# Altium PCB NC1-1B-BASIS.PcbDoc (part 2 of 3) (continued)
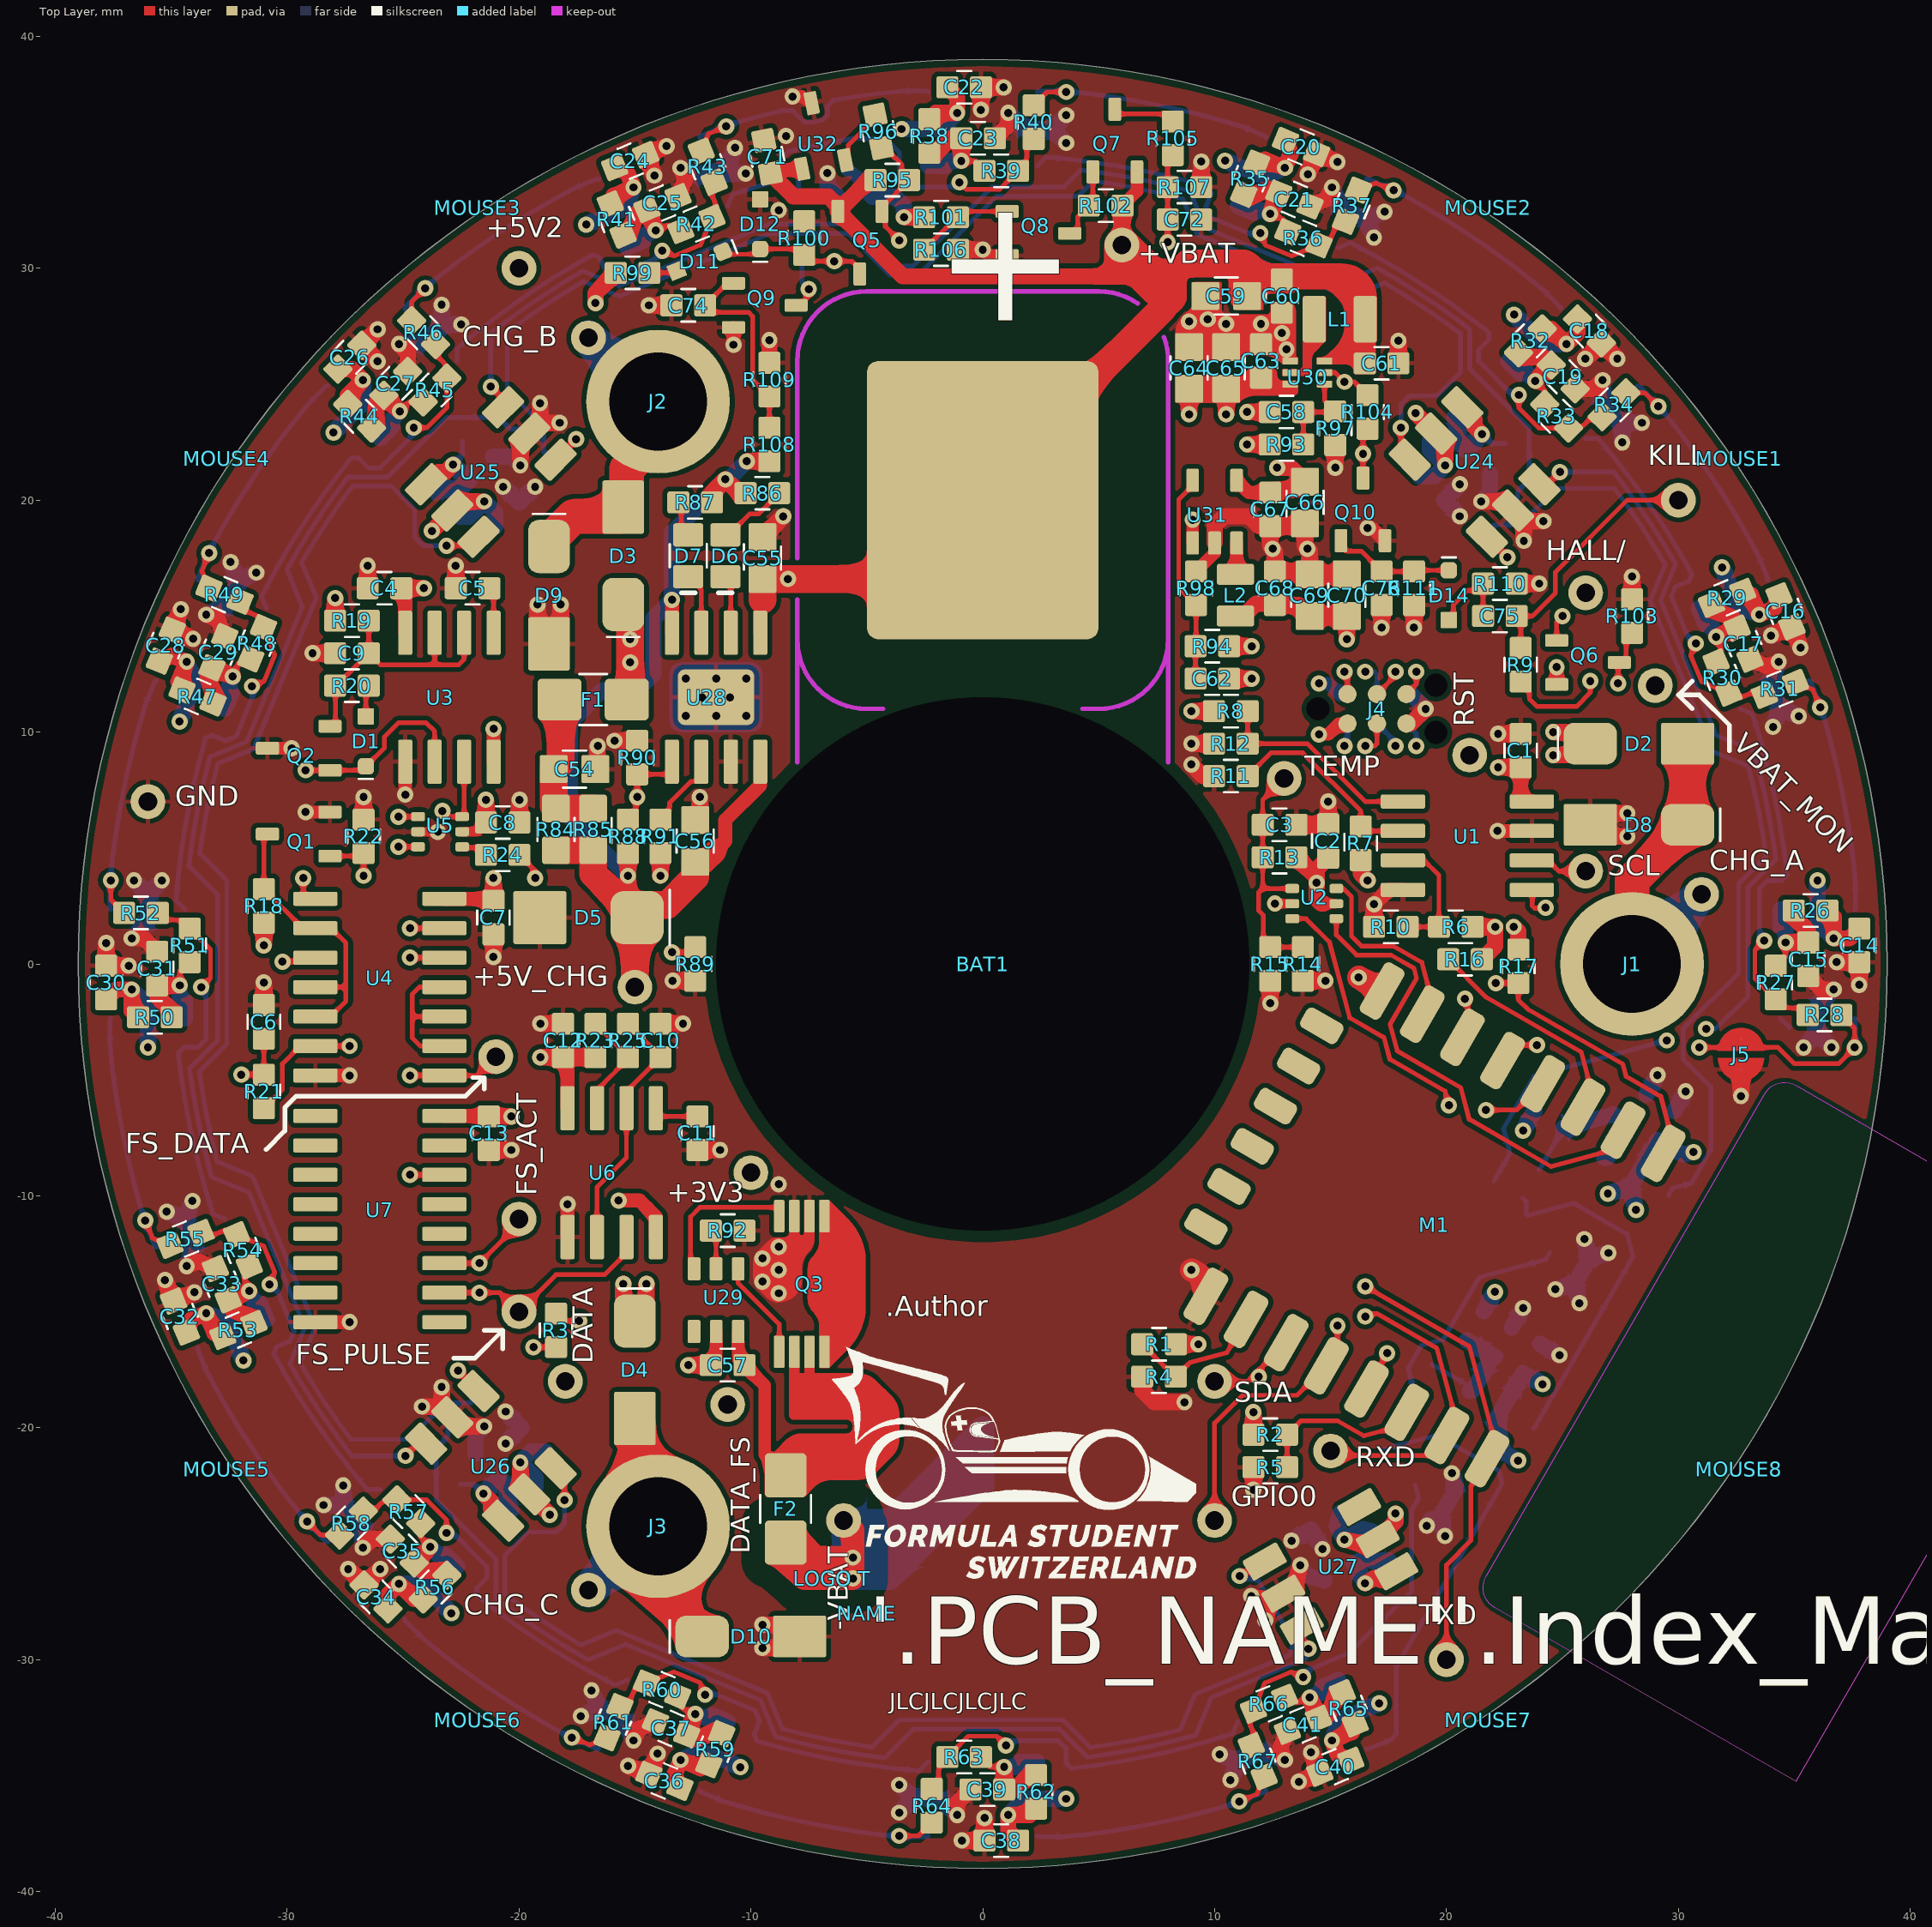
[diagram p0: Top Layer view]
## Nets (pads, with @x,y where several pads share a name; then routed paths per layer and width w, separated by ;. In a path a pad name is that pad's centre, name@x,y a point inside that pad or via, vN(x,y) a via of type N, cw(c..) or ccw(c..) an arc to the next point about the centre after c; other vN are vias at no path point) (continued)
  Bottom Layer w0.7: v1(-36.7,-1.1) -36,-1.8 U16.2@-36,-2.35 v1(-36,-3.6) ; v1(-34.637,10.451) U15.2@-34.159,11.605 -33.949,12.114 v1(-34.327,13.028) ; v1(-33.485,-15.061) -32.571,-15.44 U17.2@-32.36,-15.948 v1(-31.882,-17.103) ; v1(-28.001,22.91) U14.2@-27.118,23.794 -26.729,24.183 v1(-26.729,25.173) ; v1(-25.173,-26.729) -24.183,-26.729 U18.2@-23.794,-27.118 v1(-22.91,-28.001) ; R77.1@-22.539,19.286 -22.15,19.286 v1(-21.496,19.94) -21.019,19.463 C48.1@-21.019,18.862 ; R80.1@-19.286,-22.539 -19.286,-22.15 v1(-19.94,-21.496) -19.463,-21.019 C50.1@-18.862,-21.019 ; v1(-17.103,31.882) U13.2@-15.948,32.36 -15.44,32.571 v1(-15.061,33.485) ; v1(-13.028,-34.327) -12.114,-33.949 U19.2@-11.605,-34.159 v1(-10.451,-34.637) ; v1(-3.5,36) U12.2@-2.35,36 -1.8,36 v1(-1.1,36.7) ; v1(1.1,-36.7) 1.8,-36 U20.2@2.35,-36 v1(3.6,-36) ; v1(10.451,34.637) U11.2@11.605,34.159 12.114,33.949 v1(13.028,34.327) ; v1(15.061,-33.485) 15.44,-32.571 U21.2@15.948,-32.36 v1(17.103,-31.882) ; C53.1@15.421,-23.659 15.265,-24.24 v1(15.603,-24.825) 16.404,-24.362 R83.1@16.779,-24.463 ; C46.1@18.862,21.019 19.463,21.019 v1(19.94,21.496) 19.286,22.15 R74.1@19.286,22.539 ; R68.1@21.602,-14.984 v1(22.09,-14.139) ; v1(22.91,28.001) U10.2@23.794,27.118 24.183,26.729 v1(25.173,26.729) ; v1(23.087,-21.412) 22.481,-21.062 22.115,-19.696 U22.2@22.39,-19.22 C42.1@23.302,-17.639 v1(24.147,-18.127) ; v1(23.302,-7.189) R71.1@23.79,-6.345 ; v1(26.959,-9.906) U23.2@27.915,-9.65 ; v1(28.171,-10.606) U23.2@27.915,-9.65 ; v1(30.65,-8.112) 30.206,-8.231 C44.1@29.102,-7.593 U23.2@28.19,-9.174 U23.2@27.915,-9.65 ; v1(31.882,17.103) U9.2@32.36,15.948 32.571,15.44 v1(33.485,15.061) ; v1(36,3.6) U8.2@36,2.35 36,1.8 v1(36.7,1.1)
+5V_CHG: C56.1 D5.1 R84.2 R85.2 R86.1 R87.1 R88.1 R108.1 TP14.1 U28.4 U28.8 | length 48.1
  Top Layer w0.6: U28.8@-13.4,14.285 v1(-13.4,15.7) ; -11.55,4.85 -11.1,5.3 -11.1,6.2 -9.595,7.705 U28.4@-9.595,8.72
  Top Layer w0.7: R88.1@-15.3,4.775 v1(-15.3,3.8) -15.3,2.4 D5.1@-14.9,2 ; R87.1@-11.675,19.9 -11.675,20.325 v1(-11.1,20.9) -10.5,20.3 R86.1@-10.225,20.3 ; v1(-10.175,21.675) R108.1@-9.2,21.675
  Top Layer w1: C56.1@-12.4,4.4 -12,4.4 -11.55,4.85
  Top Layer w1.2: R84.2@-18.4,4.9 R85.2@-16.8,4.9 -16.8,3.9 D5.1@-15.3,2.4 ; TP14.1@-15,-1 -15,1.9 D5.1@-14.9,2 -14.35,2.55 -13.594,2.55 -12.4,3.744 C56.1@-12.4,4.4
  Bottom Layer w0.7: v1(-15.3,3.8) -17.8,6.3 -17.8,10.402 -16.402,11.8 -14.902,11.8 -14.2,12.502 -14.2,14.9 v1(-13.4,15.7) -13.4,18.6 v1(-11.1,20.9) -10.95,20.9 v1(-10.175,21.675)
+VBAT: BAT1.1 C55.1 C57.1 C59.1 C60.2 C61.2 C71.1 L1.1 Q5.2 Q7.2 R95.1 R102.1 TP18.1 U28.5 U29.5 U30.3 U32.1@-7.789,34.289 | length 118.5
  Top Layer w0.3: U30.3@14.74,26 16.375,26 C61.2@16.475,25.9
  Top Layer w0.55: C57.1@-11.725,-17.3 -11.49,-17.065 U29.5@-11.49,-15.85 ; C71.1@-9.159,34.089 -7.872,34.345 U32.1@-7.789,34.289 ; R102.1@6.025,32.7 6.65,33.325 Q7.2@6.65,34.15
  Top Layer w0.6: U28.5@-9.595,14.28 -9.595,15.605 -9.5,15.7
  Top Layer w0.7: v1(-12.7,-17.3) C57.1@-11.725,-17.3 ; C71.1@-9.159,34.089 -8.17,33.1 -6.66,33.1 -6.25,32.69 Q5.2@-6.25,32.45 ; R95.1@-4.625,33.8 -4.9,33.8 Q5.2@-6.25,32.45 ; R102.1@6.025,32.7 ccw(c6.025,32.675) 6,32.675 TP18.1@6,31 6,29.65 ; 7.8,28.3 7.758,28.342 6.45,29.65 6,29.65 ; C61.2@16.475,25.9 L1.1@16.475,27.775 ; Q5.2@-6.25,32.45 -3.45,29.65 6,29.65
  Top Layer w1: 7.8,28.3 8.3,28.8 8.3,29.8 8.7,30.2 10.7,30.2 11.4,29.5 C59.1@11.4,28.8 12.125,29.525 C60.2@12.9,29.525 13.075,29.7 15.3,29.7 16.5,28.5 L1.1@16.5,27.8
  Top Layer w1.2: -9.5,15.7 C55.1@-9.5,16.6 v1(-8.4,16.6) -3.4,16.6 BAT1.1@0,20 0,20.5 7.8,28.3
  Mid 2 (PWR) w0.4: v1(-12.7,-17.3) -13.4,-17.3 -16.5,-14.2 -16.5,-13.4 -14,-10.9 -14,-8.3 -17.9,-4.4 -17.9,3.4 -18.8,4.3 -18.8,10.8 -16.2,13.4 -16.2,14.5 -13.5,17.2 -9,17.2 v1(-8.4,16.6)
-VBAT: BAT1.2 F2.1 TP19.1 | length 47.6
  Top Layer w1: TP19.1@-6,-24 -5.6,-24.4 v1(-5.6,-25.6) ; v1(-5.6,-25.6) v1(-5.6,-26.5) -7.7,-26.5 -8.5,-25.7 F2.1@-8.5,-24.95 -7.85,-24.95 -7.2,-25.6 v1(-5.6,-25.6)
  Mid 1 (GND) w1: TP19.1@-6,-24 -5.6,-24.4 v1(-5.6,-25.6) v1(-5.6,-26.5)
  Mid 2 (PWR) w1: TP19.1@-6,-24 -5.6,-24.4 v1(-5.6,-25.6) v1(-5.6,-26.5)
  Bottom Layer w1: v1(-5.6,-25.6) -5.6,-24.8 -4.8,-24 BAT1.2@-4,-24 ; v1(-5.6,-25.6) BAT1.2@-4,-24 ; v1(-5.6,-25.6) -6,-25.2 TP19.1@-6,-24 BAT1.2@-4,-24 ; v1(-5.6,-25.6) v1(-5.6,-26.5) -4,-26.5 0,-22.5 BAT1.2@0,-21.4 ; v1(-5.6,-25.6) -4.2,-25.6 BAT1.2@0,-21.4 ; BAT1.2@-4,-24 BAT1.2@0,-20 BAT1.2@0,-21.4
-VBAT_PROT: C57.2 F2.2 Q3.6 Q3.7 U29.6 | length 20.3
  Top Layer w0.45: Q3.6@-8.125,-16.725 -8.125,-18.325 -7.8,-18.65 ; Q3.7@-7.475,-16.725 -7.475,-18.325 -7.8,-18.65 ; -7.35,-18.65 -7.8,-18.65
  Top Layer w0.55: U29.6@-10.55,-15.85 -10.55,-17.025 C57.2@-10.275,-17.3 -9.4,-18.175 -9.4,-21.15 F2.2@-8.5,-22.05
  Top Layer w1.8: F2.2@-8.5,-22.05 F2.2@-7.7,-21.25
  Top Layer w2: F2.2@-7.7,-21.25 -5.35,-21.25 -4.6,-20.5 -4.6,-19.4 -5.35,-18.65 -7.35,-18.65
ADC_MUX: M1.7 U2.6 | length 8.3
  Top Layer w0.2: U2.6@15.25,3.25 15.55,3.25 15.9,2.9 15.9,1.2 16.329,0.771 17.71,0.771 18.937,0.063 19.241,-1.073 18.846,-1.758 M1.7@18.955,-2.168
B1: R27.2 R28.2 U9.6 | length 16.2
  Top Layer w0.2: v1(33.7,1) 33.3,0.6 33.3,-0.625 R27.2@34.2,-1.525 34.575,-1.9 35.275,-1.9 R28.2@35.575,-2.2
  Bottom Layer w0.2: U9.6@32.681,10.993 33.193,10.781 cw(c0,0) 34.689,3.83 34.46,3.6 33.841,3.6 33.5,3.259 33.5,1.2 v1(33.7,1)
B2: R30.2 R31.2 U10.6 | length 16.2
  Top Layer w0.2: v1(30.752,13.82) 30.536,13.298 31.004,12.166 R30.2@32.18,11.679 32.67,11.476 33.317,11.744 R31.2@33.709,11.581
  Bottom Layer w0.2: U10.6@25.986,22.663 26.541,22.663 cw(c0,0) 30.583,16.813 30.459,16.513 29.887,16.276 29.703,15.831 30.491,13.929 v1(30.752,13.82)
B3: R33.2 R34.2 U11.6 | length 16.2
  Top Layer w0.2: v1(23.122,24.537) 23.122,23.971 23.989,23.105 R33.2@25.261,23.105 25.792,23.105 26.287,23.6 R34.2@26.711,23.6
  Bottom Layer w0.2: U11.6@15.335,30.882 15.848,31.094 cw(c0,0) 21.821,27.237 21.821,26.912 21.383,26.474 21.383,25.993 22.84,24.537 v1(23.122,24.537)
B4: R36.2 R37.2 U12.6 | length 16.2
  Top Layer w0.2: v1(11.973,31.517) 12.189,30.995 13.321,30.526 R36.2@14.497,31.013 14.987,31.216 15.255,31.863 R37.2@15.647,32.025
  Bottom Layer w0.2: U12.6@2.35,34.4 2.742,34.792 cw(c0,0) 9.737,33.514 ; 9.737,33.514 9.861,33.214 9.624,32.642 9.809,32.197 11.711,31.409 v1(11.973,31.517)
B5: R39.2 R40.2 U13.6 | length 17.6
  Top Layer w0.2: v1(-1,33.7) -0.7,33.4 0.725,33.4 R39.2@1.525,34.2 1.9,34.575 1.9,35.275 R40.2@2.2,35.575
  Bottom Layer w0.2: U13.6@-10.993,32.681 -10.781,33.193 cw(c0,0) -9.098,33.693 -8.7,34.092 -8.7,34.7 -8.349,35.051 -5.589,35.6 -4.2,35.6 -3.6,35 -3.6,33.841 -3.259,33.5 -1.2,33.5 v1(-1,33.7)
B6: R42.2 R43.2 U14.6 | length 16.2
  Top Layer w0.2: v1(-13.82,30.752) -13.298,30.536 -12.166,31.004 R42.2@-11.679,32.18 -11.476,32.67 -11.744,33.317 R43.2@-11.581,33.709
  Bottom Layer w0.2: U14.6@-22.663,26.541 cw(c0,0) -16.814,30.583 ; U14.6@-22.663,25.986 U14.6@-22.663,26.541 ; -16.813,30.583 -16.513,30.459 -16.276,29.887 -15.831,29.703 -13.929,30.491 v1(-13.82,30.752)
B7: R45.2 R46.2 U15.6 | length 16.2
  Top Layer w0.2: v1(-24.537,23.122) -23.971,23.122 -23.105,23.989 R45.2@-23.105,25.261 -23.105,25.792 -23.6,26.287 R46.2@-23.6,26.711
  Bottom Layer w0.2: U15.6@-31.095,15.848 cw(c0,0) -27.237,21.821 -26.912,21.821 -26.474,21.383 -25.993,21.383 -24.537,22.84 v1(-24.537,23.122) ; U15.6@-31.094,15.848 U15.6@-30.882,15.335
B8: R48.2 R49.2 U16.6 | length 16.2
  Top Layer w0.2: R49.2@-32.025,15.647 -31.863,15.255 -31.216,14.987 R48.2@-31.013,14.497 -30.526,13.321 -30.995,12.189 v1(-31.517,11.973)
  Bottom Layer w0.2: U16.6@-34.4,2.35 -34.792,2.742 cw(c0,0) -33.515,9.737 -33.214,9.861 -32.642,9.624 -32.197,9.809 -31.409,11.711 v1(-31.517,11.973)
B9: R51.2 R52.2 U17.6 | length 16.2
  Top Layer w0.2: R52.2@-35.575,2.2 -35.275,1.9 -34.575,1.9 R51.2@-34.2,1.525 -33.3,0.625 -33.3,-0.6 v1(-33.7,-1)
  Bottom Layer w0.2: v1(-33.7,-1) -33.5,-1.2 -33.5,-3.259 -33.841,-3.6 -34.46,-3.6 -34.689,-3.83 ccw(c0,0) -33.193,-10.781 U17.6@-32.681,-10.993
B10: R54.2 R55.2 U18.6 | length 16.2
  Top Layer w0.2: R55.2@-33.709,-11.581 -33.317,-11.744 -32.67,-11.476 R54.2@-32.18,-11.679 -31.004,-12.166 -30.536,-13.298 v1(-30.752,-13.82)
  Bottom Layer w0.2: v1(-30.752,-13.82) -30.491,-13.929 -29.703,-15.831 -29.887,-16.276 -30.459,-16.513 -30.583,-16.813 ; -30.583,-16.814 ccw(c0,0) U18.6@-26.541,-22.663 ; U18.6@-26.541,-22.663 U18.6@-25.986,-22.663
B11: R57.2 R58.2 U19.6 | length 16.2
  Top Layer w0.2: R58.2@-26.711,-23.6 -26.287,-23.6 -25.792,-23.105 R57.2@-25.261,-23.105 -23.989,-23.105 -23.122,-23.971 v1(-23.122,-24.537)
  Bottom Layer w0.2: v1(-23.122,-24.537) -22.84,-24.537 -21.383,-25.993 -21.383,-26.474 -21.821,-26.912 -21.821,-27.237 ccw(c0,0) U19.6@-15.848,-31.095 ; U19.6@-15.848,-31.094 U19.6@-15.335,-30.882
B12: R60.2 R61.2 U20.6 | length 16.2
  Top Layer w0.2: R61.2@-15.647,-32.025 -15.255,-31.863 -14.987,-31.216 R60.2@-14.497,-31.013 -13.321,-30.526 -12.189,-30.995 v1(-11.973,-31.517)
  Bottom Layer w0.2: v1(-11.973,-31.517) -11.711,-31.409 -9.809,-32.197 -9.624,-32.642 -9.861,-33.214 -9.737,-33.514 ; -9.737,-33.515 ccw(c0,0) -2.742,-34.792 U20.6@-2.35,-34.4
B13: R63.2 R64.2 U21.6 | length 16.2
  Top Layer w0.2: R64.2@-2.2,-35.575 -1.9,-35.275 -1.9,-34.575 R63.2@-1.525,-34.2 -0.625,-33.3 0.6,-33.3 v1(1,-33.7)
  Bottom Layer w0.2: v1(1,-33.7) 1.2,-33.5 3.259,-33.5 3.6,-33.841 3.6,-34.46 3.83,-34.689 ccw(c0,0) 10.781,-33.193 U21.6@10.993,-32.681
B14: R66.2 R67.2 U22.6 | length 15.5
  Top Layer w0.2: R67.2@11.581,-33.709 11.744,-33.317 11.476,-32.67 R66.2@11.679,-32.18 12.166,-31.004 13.298,-30.536 v1(13.82,-30.752)
  Bottom Layer w0.2: v1(13.82,-30.752) 13.929,-30.491 15.831,-29.703 18.5,-27.034 18.5,-23.557 18.801,-23.037 U22.6@18.654,-22.49
B15: R69.2 R70.2 U23.6 | length 11
  Bottom Layer w0.2: R70.2@17.96,-19.693 R69.2@18.635,-18.524 18.342,-17.431 18.904,-16.457 19.86,-16.201 21.41,-13.516 24.279,-12.747 U23.6@24.454,-12.444
B16: R72.2 R73.2 U24.6 | length 44.6
  Top Layer w0.2: U24.6@24.006,20.683 24.183,20.506 v1(24.89,21.213)
  Mid 2 (PWR) w0.2: v1(29.5,-3.3) 30.2,-3.3 30.7,-2.8 v1(31.2,-2.8)
  Bottom Layer w0.2: R73.2@22.04,-9.376 R72.2@22.74,-8.164 22.456,-7.105 23.766,-4.836 v1(29.5,-3.3) ; v1(24.89,21.213) 25.456,21.213 27.208,21.213 cw(c0,0) 29.876,17.253 29.225,15.679 31.636,9.857 33.254,9.187 cw(c0,0) 34.204,4.506 33,3.302 33,-1.4 31.6,-2.8 v1(31.2,-2.8)
B17: R75.2 R76.2 U25.6 | length 61
  Top Layer w0.2: v1(-21.213,24.89) -20.506,24.183 U25.6@-20.683,24.006
  Bottom Layer w0.2: v1(-21.213,24.89) -21.213,25.456 -21.214,27.207 ; -21.214,27.207 cw(c0,0) -17.253,29.876 -15.679,29.224 -9.22,31.9 -5.6,31.9 -3.8,30.1 -3,30.1 0.4,33.5 3.499,33.5 4.238,34.239 cw(c0,0) 8.926,33.325 9.578,31.752 15.4,29.34 17.018,30.01 ; 17.019,30.01 cw(c0,0) 21,27.372 21,25.669 23.564,23.105 R75.2@23.564,21.408 23.564,20.877 23.069,20.382 R76.2@23.069,19.958
B18: R78.2 R79.2 U26.6 | length 60.6
  Top Layer w0.2: v1(-24.89,-21.213) -24.183,-20.506 U26.6@-24.006,-20.683
  Bottom Layer w0.2: -34.239,4.238 -33,3 -33,-3.302 -34.205,-4.506 ccw(c0,0) -33.255,-9.187 ; -34.239,4.238 cw(c0,0) -33.326,8.926 -31.752,9.578 -29.341,15.4 -30.011,17.018 ; -33.255,-9.187 -31.636,-9.857 -29.225,-15.679 -29.877,-17.253 ccw(c0,0) -27.208,-21.214 -25.456,-21.214 v1(-24.89,-21.213) ; -30.011,17.019 cw(c0,0) -27.373,21 -25.669,21 -23.105,23.564 ; -23.105,23.564 R78.2@-21.408,23.564 -20.877,23.564 -20.382,23.069 R79.2@-19.958,23.069
B19: R81.2 R82.2 U27.6 | length 50.4
  Top Layer w0.2: U27.6@13.765,-28.542 13.548,-28.666 v1(14.048,-29.532)
  Bottom Layer w0.2: -23.565,-23.105 -21,-25.669 -21,-27.373 ccw(c-0.001,0) -17.019,-30.01 ; -23.564,-23.105 R81.2@-23.564,-21.408 -23.564,-20.877 -23.069,-20.382 R82.2@-23.069,-19.958 ; -17.019,-30.011 -15.4,-29.34 -9.578,-31.752 -8.927,-33.326 ccw(c0,0) -4.239,-34.239 -3,-33 3.302,-33 4.506,-34.205 ccw(c0,0) 9.186,-33.255 9.857,-31.636 13.938,-29.946 v1(14.048,-29.532)
BMS_CS: R92.1 U29.2 | length 1.7
  Top Layer w0.2: R92.1@-11.725,-11.5 -11.5,-11.725 U29.2@-11.5,-13.15
BMS_OC: Q3.4 U29.3 | length 6.6
  Top Layer w0.2: U29.3@-12.45,-13.15 -12.6,-13 -12.6,-10.9 -12.2,-10.5 -8.9,-10.5 -8.775,-10.625 Q3.4@-8.775,-10.875
BMS_OD: Q3.5 U29.1@-10.55,-13.15 | length 4.3
  Top Layer w0.2: U29.1@-10.55,-13.15 -10.55,-13.75 -8.775,-15.525 Q3.5@-8.775,-16.725
CHG_A: D2.2 D8.1 J1.1 TP15.1 | length 14.7
  Top Layer w1.5: J1.1@28,0 28,3.6 D8.1@30.4,6 D2.2@30.4,9.5
  Bottom Layer w1.5: J1.1@28,0 TP15.1@31,3
CHG_B: D3.2 D9.1 J2.1 TP16.1 | length 13.5
  Top Layer w1.5: D9.1@-18.7,18 -18.7,18.25 -17.65,19.3 -15.65,19.3 -15.5,19.45 D3.2@-15.5,19.7 -15.35,19.85 -15.35,21.35 -14,22.7 J2.1@-14,24.249
  Bottom Layer w1.5: TP16.1@-17,27 -14.249,24.249 J2.1@-14,24.249
CHG_C: D4.2 D10.1 J3.1 TP17.1 | length 14.7
  Top Layer w1.5: D4.2@-15,-19.6 -14.85,-19.75 -14.85,-23.399 J3.1@-14,-24.249 -14,-27.1 D10.1@-12.1,-29
  Bottom Layer w1.5: TP17.1@-17,-27 -14.249,-24.249 J3.1@-14,-24.249
CHG_CHRG: D7.1 U28.7 | length 2.7
  Top Layer w0.2: D7.1@-12.7,16.7 -12.135,16.135 U28.7@-12.135,14.28
CHG_PROG: R91.1 U28.2 | length 3.4
  Top Layer w0.2: R91.1@-13.9,6.225 -13.5,6.625 -13.5,6.949 -12.584,7.865 -12.34,7.865 -12.135,8.07 U28.2@-12.135,8.72
CHG_STDBY: D6.1 U28.6 | length 2.5
  Top Layer w0.2: D6.1@-11.1,16.7 -10.865,16.465 U28.6@-10.865,14.28
CHG_TEMP: R88.2 R89.1 R90.1 U28.1@-13.405,8.72 | length 12.5
  Top Layer w0.2: R88.2@-15.3,6.225 -14.96,6.565 -14.96,7.14 v1(-14.9,7.2) R90.1@-14.9,8.175 -13.61,8.175 -13.405,8.38 U28.1@-13.405,8.72 ; v1(-13.4,0.5) -12.625,0.5 R89.1@-12.4,0.725
  Mid 2 (PWR) w0.2: v1(-14.9,7.2) -14.6,6.9 -14.6,1.7 v1(-13.4,0.5)
D1: R31.1 U8.3 U9.4 | length 11.8
  Top Layer w0.2: R31.1@35.049,12.136 35.8,11.825 v1(36.116,11.063)
  Bottom Layer w0.2: U9.4@35.637,12.218 35.691,12.196 36.101,11.204 cw(c0,0) 37.641,3.464 37.641,2.391 U8.3@37.6,2.35
D2: R34.1 U9.3 U10.4 | length 11.8
  Top Layer w0.2: R34.1@27.736,24.625 28.549,24.625 v1(29.133,24.042)
  Bottom Layer w0.2: U10.4@28.249,24.926 28.307,24.926 29.066,24.167 cw(c0,0) 33.45,17.605 33.861,16.613 U9.3@33.839,16.56
D3: R37.1 U10.3 U11.4 | length 11.8
  Top Layer w0.2: R37.1@16.201,33.365 16.953,33.676 v1(17.715,33.36)
  Bottom Layer w0.2: U11.4@16.56,33.839 16.613,33.861 17.605,33.45 cw(c0,0) 24.167,29.066 24.926,28.307 U10.3@24.926,28.249
D4: R40.1 U11.3 U12.4 | length 11.8
  Top Layer w0.2: R40.1@2.2,37.025 2.775,37.6 v1(3.6,37.6)
  Bottom Layer w0.2: U12.4@2.35,37.6 2.391,37.641 3.464,37.641 cw(c0,0) 11.204,36.102 12.196,35.691 U11.3@12.218,35.637
D5: R43.1 U12.3 U13.4 | length 12.6
  Top Layer w0.2: R43.1@-12.136,35.049 -11.825,35.8 v1(-11.063,36.116)
  Bottom Layer w0.2: U13.4@-12.218,35.637 -12.196,35.691 -11.204,36.101 cw(c-0.001,0) -8.602,36.809 ; -8.6,36.8 -8.2,36.8 -7.7,36.3 -7.3,36.3 -6.926,36.374 -6.7,36.6 -6.7,36.976 -6.426,37.25 cw(c0,0) -3.465,37.641 ; -3.464,37.641 -2.391,37.641 U12.3@-2.35,37.6
D6: R46.1 U13.3 U14.4 | length 11.8
  Top Layer w0.2: R46.1@-24.625,27.736 -24.625,28.549 v1(-24.042,29.133)
  Bottom Layer w0.2: U14.4@-24.926,28.249 -24.926,28.307 v1@-24.167,29.066 ; v1@-24.167,29.066 cw(c0,0) -17.606,33.45 -16.613,33.861 U13.3@-16.56,33.839
D7: R49.1 U14.3 U15.4 | length 11.8
  Top Layer w0.2: R49.1@-33.365,16.201 -33.676,16.953 v1(-33.36,17.715)
  Bottom Layer w0.2: U15.4@-33.839,16.56 -33.861,16.613 v1@-33.45,17.605 ; v1@-33.45,17.605 cw(c0,0) -29.066,24.167 -28.307,24.926 U14.3@-28.249,24.926
D8: R52.1 U15.3 U16.4 | length 11.8
  Top Layer w0.2: v1(-37.6,3.6) -37.6,2.775 R52.1@-37.025,2.2
  Bottom Layer w0.2: v1@-37.641,3.464 cw(c0,0) -36.102,11.204 -35.691,12.196 U15.3@-35.637,12.218 ; v1@-37.641,3.464 -37.641,2.391 U16.4@-37.6,2.35
D9: R55.1 U16.3 U17.4 | length 11.8
  Top Layer w0.2: v1(-36.116,-11.063) -35.8,-11.825 R55.1@-35.049,-12.136
  Bottom Layer w0.2: -37.641,-3.465 ccw(c0,0) -36.102,-11.204 -35.691,-12.196 U17.4@-35.637,-12.218 ; -37.641,-3.464 -37.641,-2.391 U16.3@-37.6,-2.35
D10: R58.1 U17.3 U18.4 | length 11.8
  Top Layer w0.2: v1(-29.133,-24.042) -28.549,-24.625 R58.1@-27.736,-24.625
  Bottom Layer w0.2: U17.3@-33.839,-16.56 -33.861,-16.613 -33.45,-17.605 ccw(c0,0) v1@-29.066,-24.167 ; v1@-29.066,-24.167 -28.307,-24.926 U18.4@-28.249,-24.926
D11: R61.1 U18.3 U19.4 | length 11.8
  Top Layer w0.2: v1(-17.715,-33.36) -16.953,-33.676 R61.1@-16.201,-33.365
  Bottom Layer w0.2: U18.3@-24.926,-28.249 -24.926,-28.307 -24.167,-29.066 ; -24.167,-29.066 ccw(c0,0) -17.606,-33.45 -16.613,-33.861 U19.4@-16.56,-33.839
D12: R64.1 U19.3 U20.4 | length 11.8
  Top Layer w0.2: v1(-3.6,-37.6) -2.775,-37.6 R64.1@-2.2,-37.025
  Bottom Layer w0.2: U19.3@-12.218,-35.637 -12.196,-35.691 -11.204,-36.101 ccw(c0,0) v1@-3.464,-37.641 ; v1@-3.464,-37.641 -2.391,-37.641 U20.4@-2.35,-37.6
D13: R67.1 U20.3 U21.4 | length 11.8
  Top Layer w0.2: v1(11.063,-36.116) 11.825,-35.8 R67.1@12.136,-35.049
  Bottom Layer w0.2: U20.3@2.35,-37.6 2.391,-37.641 3.464,-37.641 ccw(c0,0) 11.204,-36.102 12.196,-35.691 U21.4@12.218,-35.637
D14: R70.1 U21.3 U22.4 | length 19.6
  Bottom Layer w0.2: U21.3@16.56,-33.839 16.613,-33.861 17.605,-33.45 17.84,-33.216 17.84,-30.301 U22.4@21.425,-24.09 22.4,-22.401 22.254,-21.855 19.591,-20.317 R70.1@17.235,-20.949
D15: R73.1 U22.3 U23.4 | length 15.1
  Bottom Layer w0.2: R73.1@23.295,-10.101 23.433,-10.238 23.433,-10.769 23.512,-10.848 25.478,-10.322 27.794,-11.659 28.05,-12.615 U23.4@27.225,-14.044 U22.3@23.775,-20.02
D16: R76.1 U23.3 U24.4 | length 44.5
  Top Layer w0.2: U24.4@21.744,18.42 v1(22.627,17.536)
  Bottom Layer w0.2: v1(22.627,17.536) 22.044,18.12 R76.1@22.044,18.933 23.175,18.933 24.749,20.506 25.594,20.506 27.245,20.506 cw(c0,0) 29.431,17.223 28.79,15.676 31.493,9.151 33.019,8.519 cw(c0,0) 33.782,4.649 32.598,3.465 32.598,-0.402 30.2,-2.8 30.2,-4.1 31.4,-5.3 31.4,-8.014 30.57,-9.451 29.75,-9.671 U23.3@29.575,-9.974
D17: R79.1 U24.3 U25.4 | length 63.4
  Top Layer w0.2: U25.4@-18.42,21.744 v1(-17.536,22.627) ; v1(18.031,23.122) 18.031,22.132 U24.3@18.42,21.744
  Bottom Layer w0.2: -20.507,25.594 -20.507,27.245 cw(c0,0) -17.223,29.431 -15.676,28.79 -9.134,31.5 -5.8,31.5 -4,29.7 -2.8,29.7 0.6,33.1 4.099,33.1 4.765,33.766 cw(c0,0) 8.632,32.989 9.273,31.442 15.798,28.74 17.324,29.372 ; -20.506,25.594 -20.506,24.749 -18.933,23.175 R79.1@-18.933,22.044 -18.12,22.044 v1(-17.536,22.627) ; 17.324,29.371 cw(c0,0) 20.6,27.174 20.6,25.5 19.6,24.5 18.4,24.5 18.031,24.131 v1(18.031,23.122)
D18: R82.1 U25.3 U26.4 | length 63.1
  Top Layer w0.2: v1(-23.122,18.031) -22.132,18.031 U25.3@-21.744,18.42 ; v1(-22.627,-17.536) U26.4@-21.744,-18.42
  Bottom Layer w0.2: -25.594,-20.507 -27.245,-20.507 cw(c0,0) -29.431,-17.223 -28.791,-15.676 -31.493,-9.151 -33.019,-8.519 cw(c0,0) -33.782,-4.649 -32.598,-3.465 -32.598,3.597 -33.766,4.765 cw(c0,0) -32.99,8.632 -31.443,9.273 -28.74,15.798 -29.372,17.324 cw(c0,0) -27.175,20.6 -25.5,20.6 -24.5,19.6 -24.5,18.4 -24.132,18.031 v1(-23.122,18.031) ; -25.594,-20.506 -24.749,-20.506 -23.175,-18.933 R82.1@-22.044,-18.933 -22.044,-18.12 v1(-22.627,-17.536)
D19: U26.3 U27.4 | length 51.8
  Top Layer w0.2: U26.3@-18.42,-21.744 -18.031,-22.132 v1(-18.031,-23.122) ; v1(11.082,-26.395) U27.4@12.165,-25.77
  Bottom Layer w0.2: v1(-18.031,-23.122) -18.032,-24.131 -18.4,-24.5 -19.6,-24.5 -20.6,-25.5 -20.6,-27.175 ccw(c-0.001,0) -17.325,-29.372 -15.798,-28.74 -9.274,-31.443 -8.633,-32.99 ccw(c0,0) -4.766,-33.766 -3.598,-32.598 3.465,-32.598 4.649,-33.782 ccw(c0,0) 8.519,-33.019 9.151,-31.493 13.245,-29.797 13.402,-29.213 11.902,-26.615 v1(11.082,-26.395)
DATA: Q1.1@-28.15,4.65 R3.2 R22.2 TP1.1 | length 29.8
  Top Layer w0.2: Q1.1@-28.15,4.65 -26.825,4.65 R22.2@-26.7,4.775 v1(-26.7,3.8) ; v1(-19.375,-16.525) R3.2@-18.4,-16.525
  Mid 2 (PWR) w0.2: v1(-26.7,3.8) -26.7,-11 -21.175,-16.525 v1@-19.475,-16.525 ; v1(-19.375,-16.525) -18,-17.9 TP1.1@-18,-18
DATA_5V: Q1.3 R18.2 U4.2 U4.4 U4.5 | length 12.4
  Top Layer w0.2: Q1.3@-30.85,5.6 -31,5.45 R18.2@-31,3.225 -29.315,1.54 U4.2@-28.78,1.54 -28.1,1.54 -27.46,0.9 -27.46,-1 ; U4.5@-28.78,-2.27 -28.13,-2.27 -27.46,-1.6 -27.46,-1 ; U4.4@-28.78,-1 -27.46,-1
DATA_FS: J5.1 R24.2 R28.1 TP11.1 U8.4 | length 93
  Top Layer w0.2: R24.2@-19.975,4.7 -19.3,4.025 v1(-19.3,3.7) ; v1(30.9,-3.6) 32.35,-3.6 J5.1@32.7,-3.25 33.05,-3.6 34.3,-3.6 35,-4.3 36.9,-4.3 v1(37.6,-3.6) 37.6,-2.775 R28.1@37.025,-2.2
  Mid 2 (PWR) w0.2: v1(-19.3,3.7) -18.4,2.8 -18.4,-4.7 -14.5,-8.6 -14.5,-10.7 -17,-13.2 -17,-14.4 -12.4,-19 TP11.1@-11,-19 -10.3,-18.3 6.6,-18.3 8.8,-20.5 12.8,-20.5 20.6,-12.7 20.6,-8.9 25.5,-4 30.5,-4 v1(30.9,-3.6)
  Bottom Layer w0.2: U8.4@37.6,-2.35 37.641,-2.391 v1@37.641,-3.464
EEPROM_A0: R8.2 R12.1 U1.1@18.12,7.005 | length 9.1
  Top Layer w0.2: R8.2@11.425,10.9 R12.1@11.425,9.5 14,9.5 16.495,7.005 U1.1@18.12,7.005
EEPROM_A1: R7.2 R11.1 U1.2 | length 8.9
  Top Layer w0.2: R11.1@11.425,8.1 12.425,9.1 13.8,9.1 16.3,6.6 R7.2@16.3,5.925 16.49,5.735 U1.2@18.12,5.735
EEPROM_A2: R6.2 R10.1 U1.3 | length 5.4
  Top Layer w0.2: U1.3@18.12,4.465 19.035,4.465 19.675,3.825 R6.2@19.675,1.6 R10.1@18.325,1.6
EN: D11.1 D12.1 Q5.3 R100.1 R104.1 U30.2 | length 33
  Top Layer w0.2: D11.1@-11.207,30.711 -11.095,30.6 -9.825,30.6 D12.1@-9.6,30.825 -7.95,30.825 R100.1@-7.7,30.575 -7.425,30.3 v1(-6.4,30.3) -5.637,30.3 -5.3,29.963 Q5.3@-5.3,29.75 ; U30.2@14.74,25.5 15.2,25.5 v1(15.6,25.1) 16.025,25.1 R104.1@16.6,24.525
  Mid 2 (PWR) w0.2: v1(-6.4,30.3) -6.1,30 -0.7,30 2,27.3 7.7,27.3 9.2,25.8 14.9,25.8 v1(15.6,25.1)
ESP_EN: M1.3 R16.2 | length 9.6
  Top Layer w0.2: R16.2@20.075,0.2 21.712,-1.437 25.808,-3.801 26.265,-5.508 M1.3@25.884,-6.168
FS_ACT/: TP10.1 U3.3 U5.6 U7.11 | length 27.7
  Top Layer w0.2: v1(-23.3,6.6) -23.2,6.6 -22.95,6.35 U5.6@-22.45,6.35 -22.365,6.435 U3.3@-22.365,8.72 ; U7.11@-23.22,-12.905 v1(-21.7,-12.905) -20,-11.205 TP10.1@-20,-11
  Mid 2 (PWR) w0.2: v1(-23.3,6.6) -22.8,6.1 -22.8,-11.805 v1(-21.7,-12.905)
FS_DATA: TP13.1 U4.8 U5.3 | length 15.8
  Top Layer w0.2: v1(-25.2,5.05) U5.3@-24.35,5.05 ; v1(-24.7,-4.81) U4.8@-23.22,-4.81 -21.81,-4.81 TP13.1@-21,-4
  Mid 2 (PWR) w0.2: v1(-25.2,5.05) -23.7,3.55 -23.7,-3.81 v1(-24.7,-4.81)
FS_EDGE/: D1.1 Q2.1@-28.15,8.35 U3.2 U4.3 | length 18.6
  Top Layer w0.2: v1(-30.2,0.1) -28.95,0.1 U4.3@-28.78,0.27 ; v1(-29.2,8.35) Q2.1@-28.15,8.35 -26.775,8.35 D1.1@-26.6,8.525 -25.8,9.325 -25.8,9.8 -25.2,10.4 -24,10.4 -23.635,10.035 U3.2@-23.635,8.72
  Mid 2 (PWR) w0.2: v1(-30.2,0.1) -30.2,2.1 -30.5,2.4 -30.5,7.05 v1(-29.2,8.35)